# Altium PCB PCB.PcbDoc (part 2 of 2)
Units mm, origin at the board's own origin, x right, y up, seen from the top; angles counter-clockwise.
Board outline 93.51 x 85.5 mm, 4 copper layers (Top Layer, Int1 (PWR), Int2 (GND), Bottom Layer), stack 1.439 mm thick; 119 components, 88 nets, 414 pads, 360 vias.
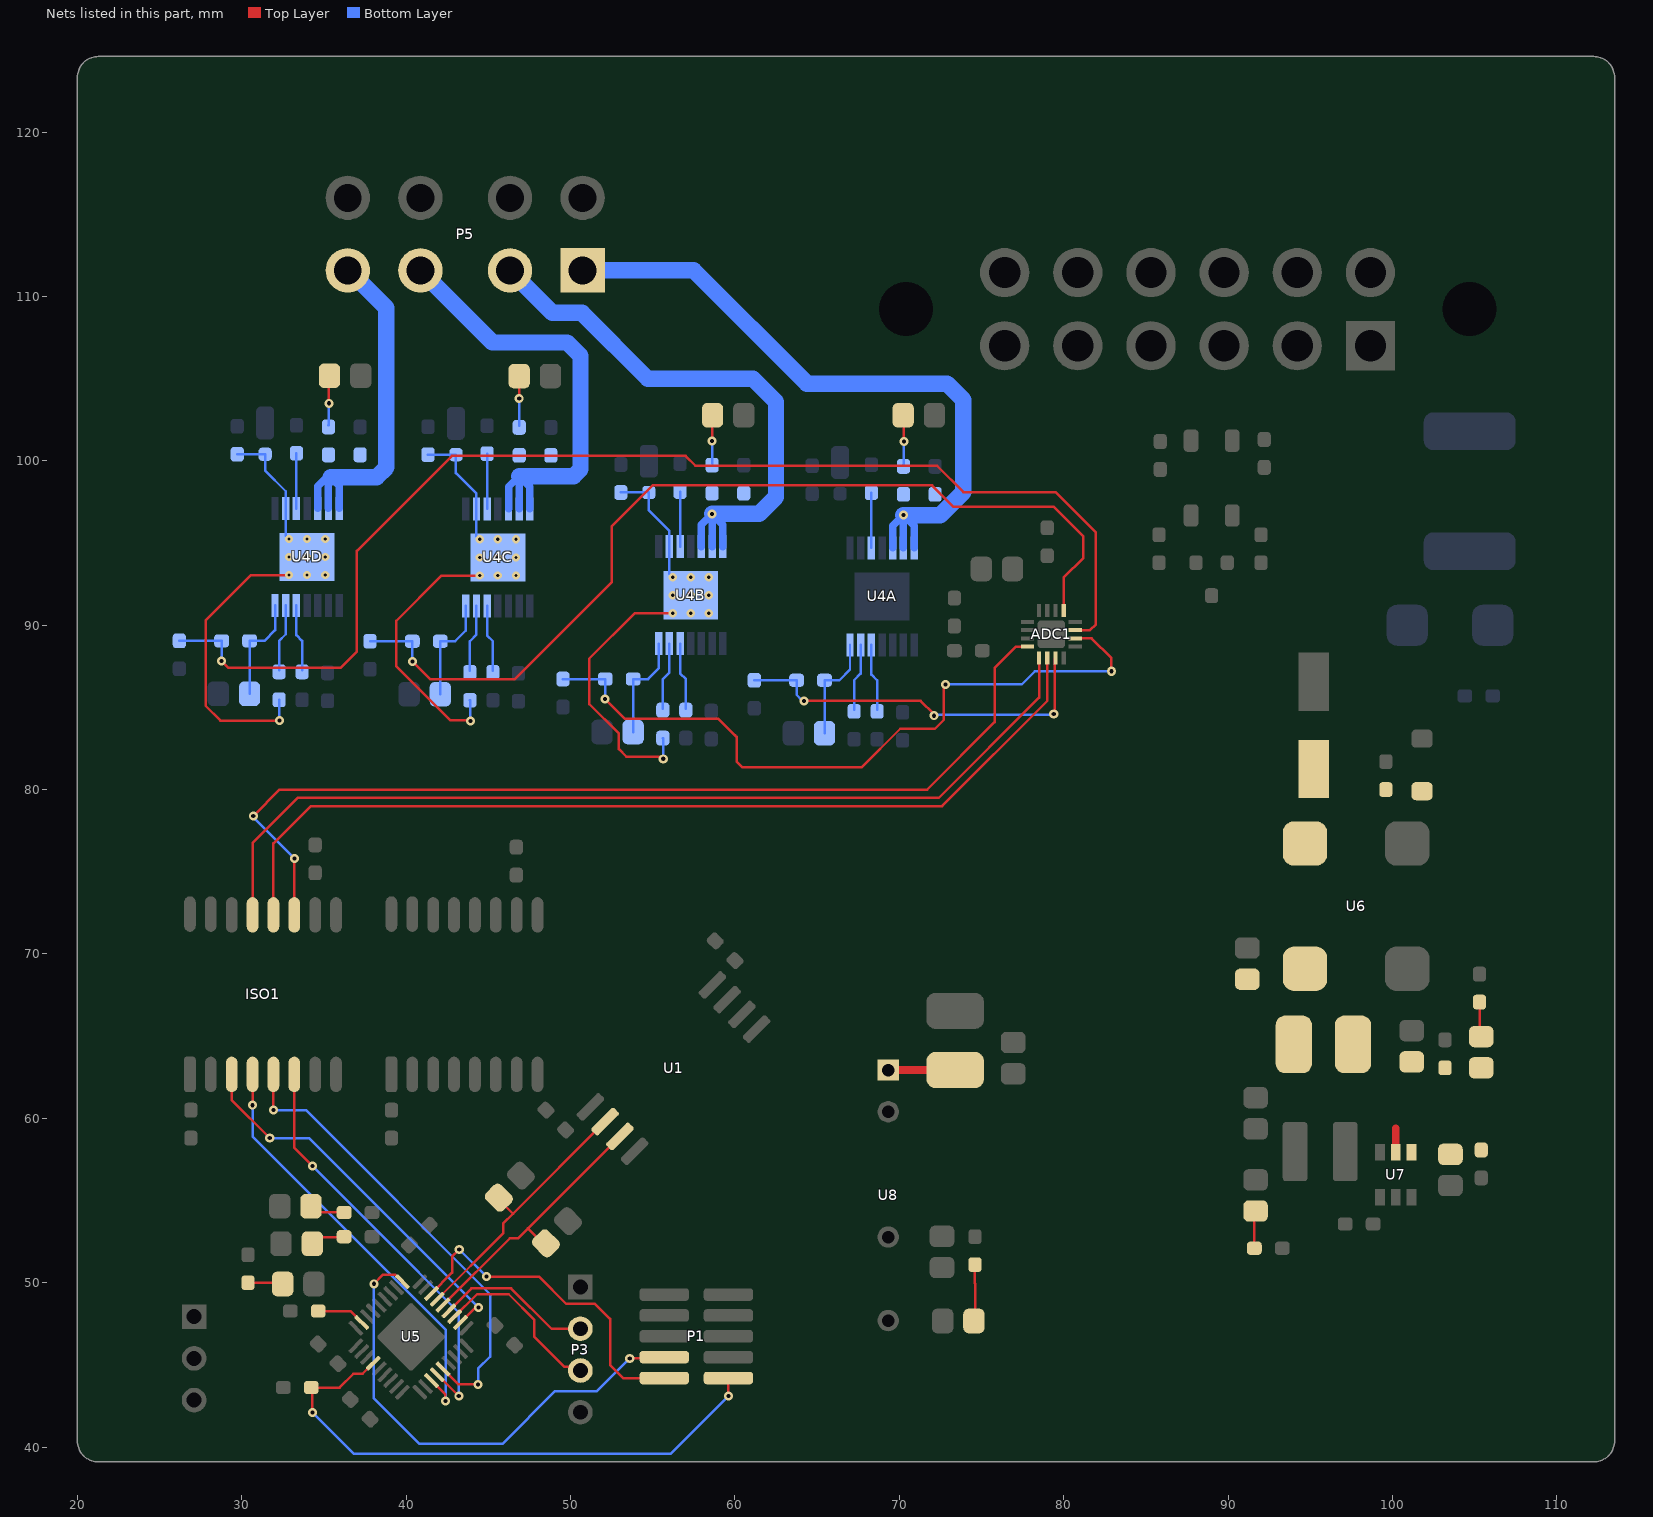
[diagram p4: the nets of this part, all layers, seen from the top]

## Via types
v1: diameter 0.55, hole 0.25, Top Layer to Bottom Layer, 312 vias
v2: diameter 0.5, hole 0.2, Top Layer to Bottom Layer, 36 vias
v3: diameter 0.6, hole 0.3, Top Layer to Bottom Layer, 12 vias

## Nets (pads, with @x,y where several pads share a name; then routed paths per layer and width w, separated by ;. In a path a pad name is that pad's centre, name@x,y a point inside that pad or via, vN(x,y) a via of type N, cw(c..) or ccw(c..) an arc to the next point about the centre after c; other vN are vias at no path point) (continued)
NetD1B_A: D1B.A R6B.1 R8B.2 U4B.0 U4B.2 | length 24.2
  Top Layer w0.152: v1@55.662,81.8 55.605,81.8 55.405,82 53.4,82 52.937,82.463 52.937,83.407 51.139,85.205 51.139,87.971 53.892,90.724 v2(56.212,90.724)
  Bottom Layer w0.152: R8B.2@53.062,98.074 D1B.A@54.762,98.074 54.762,96.982 56.012,95.732 U4B.2@56.012,94.774 56.012,93.124 v2(56.212,92.924) ; R6B.1@55.612,83.135 55.626,83.121 55.626,81.887 v1(55.639,81.874)
  other v2: 57.312,90.724 58.412,90.724 56.212,91.824 57.312,91.824 58.412,91.824 57.312,92.924 58.412,92.924
NetD1C_A: D1C.A R6C.1 R8C.2 U4C.0 U4C.2 | length 23.6
  Top Layer w0.152: v1(43.903,84.174) 43.844,84.233 42.667,84.233 39.403,87.497 39.403,90.271 42.156,93.024 v2(44.476,93.024)
  Bottom Layer w0.152: R8C.2@41.326,100.374 D1C.A@43.026,100.374 43.026,99.252 44.276,98.002 U4C.2@44.276,97.074 44.276,95.424 v2(44.476,95.224) ; R6C.1@43.876,85.435 43.89,85.421 43.89,84.187 v1(43.903,84.174)
  other v2: 45.576,93.024 46.676,93.024 44.476,94.124 45.576,94.124 46.676,94.124 45.576,95.224 46.676,95.224
NetD1D_A: D1D.A R6D.1 R8D.2 U4D.0 U4D.2 | length 25
  Top Layer w0.152: v1(32.3,84.2) 28.7,84.2 27.8,85.1 27.8,90.298 30.552,93.05 v2(32.873,93.05)
  Bottom Layer w0.152: R8D.2@29.723,100.4 D1D.A@31.423,100.4 31.423,99.4 32.673,98.15 U4D.2@32.673,97.1 32.673,95.45 v2(32.873,95.25) ; R6D.1@32.273,85.461 32.286,85.448 32.286,84.214 v1(32.3,84.2)
  other v2: 33.973,93.05 35.073,93.05 32.873,94.15 33.973,94.15 35.073,94.15 33.973,95.25 35.073,95.25
NetD2A_A: D2A.A R7A.1 | length 3
  Top Layer w0.152: D2A.A@70.238,102.774 70.275,102.737 v1(70.275,101.175)
  Bottom Layer w0.152: R7A.1@70.25,99.75 70.275,99.775 v1(70.275,101.175)
NetD2B_A: D2B.A R7B.1 | length 3
  Top Layer w0.152: v1(58.612,101.2) 58.612,102.748 D2B.A@58.638,102.774
  Bottom Layer w0.152: R7B.1@58.612,99.824 v1(58.612,101.2)
NetD2C_A: D2C.A R7C.1 | length 3
  Top Layer w0.152: v1(46.876,103.8) 46.878,103.802 D2C.A@46.878,105.156
  Bottom Layer w0.152: R7C.1@46.876,102.124 v1(46.876,103.8)
NetD2D_A: D2D.A R7D.1 | length 3.1
  Top Layer w0.152: v1(35.3,103.5) 35.3,105.136 D2D.A@35.338,105.174
  Bottom Layer w0.152: R7D.1@35.273,102.15 35.286,102.164 35.286,103.486 v1(35.3,103.5)
NetD3_A: D3.A R9.1 | length 2.1
  Top Layer w0.152: R9.1@30.375,50 32.412,50 D3.A@32.488,49.924
NetD4_A: D4.A R10.1 | length 2.2
  Top Layer w0.152: D4.A@34.212,54.651 34.575,54.289 36.211,54.289 R10.1@36.225,54.275
NetD5_A: D5.A R11.1 | length 2.1
  Top Layer w0.152: D5.A@34.287,52.376 34.673,52.763 36.188,52.763 R11.1@36.225,52.8
NetD7_K: D7.K R16.2 | length 2
  Top Layer w0.152: D7.K@105.3,65.075 R16.2@105.3,67.075
NetD9_K: D9.K R17.2 | length 2.3
  Top Layer w0.152: R17.2@91.6,52.1 91.6,54.288 D9.K@91.674,54.362 D9.K@91.7,54.336
NetD10_K: D10.K R18.2 | length 3.4
  Top Layer w0.152: R18.2@74.6,51.1 74.6,49.961 74.612,49.949 D10.K@74.612,47.686
NetISO1_3: ISO1.3 U5.20 | length 23.3
  Top Layer w0.152: ISO1.3@29.385,62.675 29.385,61.115 v1(31.7,58.8) ; U5.20@43.305,47.584 44.221,48.5 v1(44.4,48.5)
  Bottom Layer w0.152: v1(31.7,58.8) 34.1,58.8 v1(44.4,48.5)
NetISO1_4: ISO1.6 U5.13 | length 25.6
  Top Layer w0.152: ISO1.6@33.195,62.675 33.195,58.205 v1(34.3,57.1) ; U5.13@41.898,44.402 v1(43.2,43.1)
  Bottom Layer w0.152: v1(34.3,57.1) 38.416,52.984 43.2,48.2 v1(43.2,43.1)
NetISO1_5: ISO1.4 U5.12 | length 26.3
  Top Layer w0.152: v1(30.655,60.8) ISO1.4@30.655,62.675 ; U5.12@41.537,44.048 42.389,43.197 42.389,42.811 v1(42.4,42.8)
  Bottom Layer w0.152: v1(30.655,60.8) 30.655,58.898 42.4,47.153 v1(42.4,42.8)
NetISO1_6: ISO1.5 U5.14 | length 28.3
  Top Layer w0.152: v1(31.925,60.5) ISO1.5@31.925,62.675 ; U5.14@42.245,44.755 43.189,43.811 v1(44.375,43.811)
  Bottom Layer w0.152: v1@31.9,60.5 v1(31.925,60.5) 33.9,60.5 45.1,49.3 45.1,45.5 44.375,44.775 v1(44.375,43.811)
NetL3_1: L3.1 U8.1 | length 4.1
  Top Layer w0.5: U8.1@69.325,62.94 L3.1@73.4,62.94
NetR2A_2: R2A.2 U4A.3 | length 3.4
  Bottom Layer w0.152: U4A.3@68.3,94.7 R2A.2@68.3,98.05
NetR2B_2: R2B.2 U4B.3 | length 3.4
  Bottom Layer w0.152: U4B.3@56.662,94.774 R2B.2@56.662,98.124
NetR2C_2: R2C.2 U4C.3 | length 3.4
  Bottom Layer w0.152: U4C.3@44.926,97.074 R2C.2@44.926,100.424
NetR2D_2: R2D.2 U4D.3 | length 3.4
  Bottom Layer w0.152: U4D.3@33.323,97.1 R2D.2@33.323,100.45
NetR3A_2: R3A.2 U4A.12 | length 4.1
  Bottom Layer w0.152: U4A.12@68.3,88.8 68.3,87 68.65,86.65 R3A.2@68.65,84.85
NetR3B_2: R3B.2 U4B.12 | length 4.1
  Bottom Layer w0.152: U4B.12@56.662,88.874 56.662,87.074 57.012,86.724 R3B.2@57.012,84.924
NetR3C_2: R3C.2 U4C.12 | length 4.1
  Bottom Layer w0.152: U4C.12@44.926,91.174 44.926,89.374 45.276,89.024 R3C.2@45.276,87.224
NetR3D_2: R3D.2 U4D.12 | length 4.1
  Bottom Layer w0.152: U4D.12@33.323,91.2 33.323,89.4 33.673,89.05 R3D.2@33.673,87.25
NetR4A_2: R4A.2 R5A.2 U4A.14 | length 6.5
  Bottom Layer w0.152: R5A.2@65.45,83.426 R4A.2@65.45,86.65 66.35,86.65 67,87.3 U4A.14@67,88.8
NetR4B_2: R4B.2 R5B.2 U4B.14 | length 6.5
  Bottom Layer w0.152: R5B.2@53.812,83.5 R4B.2@53.812,86.724 54.712,86.724 55.362,87.374 U4B.14@55.362,88.874
NetR4C_2: R4C.2 R5C.2 U4C.14 | length 6.5
  Bottom Layer w0.152: R5C.2@42.076,85.8 R4C.2@42.076,89.024 42.976,89.024 43.626,89.674 U4C.14@43.626,91.174
NetR4D_2: R4D.2 R5D.2 U4D.14 | length 6.5
  Bottom Layer w0.152: R5D.2@30.473,85.826 R4D.2@30.473,89.05 31.373,89.05 32.023,89.7 U4D.14@32.023,91.2
NetR6A_2: R6A.2 U4A.13 | length 4.1
  Bottom Layer w0.152: R6A.2@67.25,84.85 67.25,86.65 67.65,87.05 U4A.13@67.65,88.8
NetR6B_2: R6B.2 U4B.13 | length 4.1
  Bottom Layer w0.152: R6B.2@55.612,84.924 55.612,86.724 56.012,87.124 U4B.13@56.012,88.874
NetR6C_2: R6C.2 U4C.13 | length 4.1
  Bottom Layer w0.152: R6C.2@43.876,87.224 43.876,89.024 44.276,89.424 U4C.13@44.276,91.174
NetR6D_2: R6D.2 U4D.13 | length 4.1
  Bottom Layer w0.152: R6D.2@32.273,87.25 32.273,89.05 32.673,89.45 U4D.13@32.673,91.2
NetR12_1: R12.1 U1.3 U5.23 | length 16.5
  Top Layer w0.152: U5.23@42.245,48.645 46.3,52.7 46.8,52.7 47.4,53.3 ; R12.1@48.5,52.4 48.3,52.4 47.4,53.3 ; U1.3@53,58.9 47.4,53.3
NetR13_1: R13.1 U1.2 U5.24 | length 16.4
  Top Layer w0.152: U5.24@41.891,48.998 45.9,53.007 45.9,53.596 46.502,54.198 ; R13.1@45.636,55.174 45.636,55.064 46.502,54.198 ; U1.2@52.102,59.798 46.502,54.198
NetR15_2: R15.2 U5.35 | length 2.9
  Top Layer w0.152: R15.2@34.65,48.275 36.604,48.275 U5.35@37.295,47.584
NRST: P1.1 R14.1 U5.4 | length 34.8
  Top Layer w0.152: v1(34.3,42.1) 34.3,43.55 R14.1@34.225,43.625 35.95,43.625 36.786,44.461 37.354,44.461 U5.4@38.002,45.109 ; v1(59.6,43.1) P1.1@59.6,44.2
  Bottom Layer w0.152: v1(34.3,42.1) 36.8,39.6 56.1,39.6 v1(59.6,43.1)
SCLCK: ADC1.13 ISO1.13 | length 58.3
  Top Layer w0.152: ISO1.13@30.655,72.377 30.655,76.755 33.4,79.5 72.4,79.5 78.5,85.6 ADC1.13@78.5,88
SDI: ADC1.14 ISO1.12 | length 57.6
  Top Layer w0.152: ISO1.12@31.925,72.377 31.925,76.725 34.2,79 72.6,79 79,85.4 ADC1.14@79,88
SDO: ADC1.12 ISO1.11 | length 60.4
  Top Layer w0.152: v1(30.7,78.4) 32.3,80 71.7,80 75.8,84.1 75.8,87.4 77.1,88.7 ADC1.12@77.8,88.7 ; ISO1.11@33.195,72.377 v1(33.195,75.805)
  Bottom Layer w0.152: v1(30.7,78.4) 30.7,78.3 v1(33.195,75.805)
SNS1: ADC1.3 C13D.2 R4D.1 | length 75
  Top Layer w0.152: v1(28.773,87.827) 29.2,87.4 36,87.4 37,88.4 37,94.517 42.783,100.3 57,100.3 57.6,99.7 72.3,99.7 73.9,98.1 79.505,98.1 81.955,95.649 81.955,90.055 81.6,89.7 81.328,89.7 ADC1.3@80.7,89.7
  Bottom Layer w0.152: C13D.2@26.2,89.05 R4D.1@28.773,89.05 v1(28.773,87.827) v1@28.8,87.8
SNS2: ADC1.5 C13C.2 R4C.1 | length 58.3
  Top Layer w0.152: v1(40.376,87.801) 41.477,86.7 46.6,86.7 52.5,92.6 52.5,96.011 54.989,98.5 72,98.5 73.3,97.2 79.4,97.2 81.2,95.4 81.2,94.1 80,92.9 ADC1.5@80,90.9
  Bottom Layer w0.152: C13C.2@37.803,89.024 R4C.1@40.376,89.024 v1(40.376,87.801) v1@40.403,87.774
SNS3: ADC1.2 C13B.2 R4B.1 | length 44.3
  Top Layer w0.152: v1(52.1,85.5) 53.3,84.3 59,84.3 60,83.3 60.011,83.3 60.1,83.211 60.1,81.7 60.45,81.35 67.706,81.35 70.056,83.7 72.161,83.7 72.705,84.244 72.705,86.305 v1(72.8,86.4) ; ADC1.2@80.7,89.2 81.702,89.2 82.9,88.002 v1(82.9,87.2)
  Bottom Layer w0.152: C13B.2@49.539,86.724 R4B.1@52.112,86.724 52.1,86.712 v1(52.1,85.5) ; v1(72.8,86.4) 77.45,86.4 78.25,87.2 v1(82.9,87.2)
SNS4: ADC1.15 C13A.2 R4A.1 | length 23.2
  Top Layer w0.152: v1(64.2,85.4) 71.3,85.4 72.1,84.6 v1(72.1,84.495) ; v1(79.395,84.6) 79.451,84.656 79.451,87.951 ADC1.15@79.5,88
  Bottom Layer w0.152: C13A.2@61.177,86.65 R4A.1@63.75,86.65 63.75,85.771 64.121,85.4 v1(64.2,85.4) ; v1(72.1,84.495) 72.152,84.547 79.342,84.547 v1(79.395,84.6)
SWCLK: P1.4 U5.28 | length 30.1
  Top Layer w0.152: v1(38.037,49.937) 38.595,50.495 39.333,50.495 U5.28@39.77,50.059 ; v1(53.6,45.4) 55.63,45.4 P1.4@55.7,45.47
  Bottom Layer w0.152: v1(38.037,49.937) 38.037,42.963 40.8,40.2 45.856,40.2 49.064,43.408 51.608,43.408 v1@53.615,45.415
SWDIO: P1.2 U5.25 | length 20.7
  Top Layer w0.152: U5.25@41.537,49.352 42.8,50.614 42.8,51.6 v1(43.228,52.028) ; v1(44.878,50.378) 48.072,50.378 49.736,48.714 51.486,48.714 52.4,47.8 52.4,45 53.2,44.2 P1.2@55.7,44.2
  Bottom Layer w0.152: v1(43.228,52.028) v1(44.878,50.378)
UART_RX: P3.2 U5.22 | length 9.6
  Top Layer w0.152: U5.22@42.598,48.291 43.962,49.655 46.386,49.655 48.841,47.2 P3.2@50.6,47.2
UART_TX: P3.3 U5.21 | length 10.7
  Top Layer w0.152: U5.21@42.952,47.937 44.314,49.3 46.239,49.3 47.8,47.739 47.8,46.7 49.622,44.878 50.382,44.878 P3.3@50.6,44.66
VBAT_C: C21.2 L1.2 U6.2
VBAT_D: C25.2 C26.2 D6.K U6.1
VBAT_F: C22.2 C23.2 C28.2 C29.2 D7.A L1.1 U7.4 U7.5 | length 1.6
  Top Layer w0.152: 100.1,59.5 100.2,59.4
  Top Layer w0.456: U7.5@100.2,57.95 100.2,59.4
VOUT_1: C14A.2 P5.1 R7A.2 U4A.5 U4A.6 U4A.7 | length 42.8
  Bottom Layer w0.456: U4A.5@69.6,94.7 69.6,96.048 v1(70.25,96.698) ; U4A.6@70.25,94.7 v1(70.25,96.698) ; U4A.7@70.9,94.7 70.9,96.048 v1(70.25,96.698)
  Bottom Layer w1: P5.1@50.737,111.582 57.497,111.582 64.379,104.7 72.9,104.7 73.9,103.7 73.9,98.1 72.498,96.698 v1(70.25,96.698)
VOUT_2: C14B.2 P5.2 R7B.2 U4B.5 U4B.6 U4B.7 | length 36.1
  Bottom Layer w0.456: U4B.5@57.962,94.774 57.962,96.122 v1(58.612,96.772) ; U4B.6@58.612,94.774 v1(58.612,96.772) ; U4B.7@59.262,94.774 59.262,96.122 v1(58.612,96.772)
  Bottom Layer w1: P5.2@46.317,111.582 48.899,109 50.7,109 54.7,105 61.1,105 62.5,103.6 62.5,97.8 61.472,96.772 v1(58.612,96.772)
VOUT_3: C14C.2 P5.3 R7C.2 U4C.5 U4C.6 U4C.7 | length 29.2
  Bottom Layer w0.456: U4C.5@46.226,97.074 46.226,98.422 46.876,99.072 ; U4C.6@46.876,97.074 46.876,99.072 ; U4C.7@47.526,97.074 47.526,98.422 46.876,99.072
  Bottom Layer w1: P5.3@40.867,111.582 45.249,107.2 49.8,107.2 50.607,106.393 50.607,99.482 50.196,99.072 46.876,99.072
VOUT_4: C14D.2 P5.4 R7D.2 U4D.5 U4D.6 U4D.7 | length 23.3
  Bottom Layer w0.456: U4D.5@34.623,97.1 34.623,98.448 35.273,99.098 35.273,99 U4D.6@35.273,97.1 ; 35.3,99.1 35.4,99 35.923,98.477 U4D.7@35.923,97.1
  Bottom Layer w0.7: 35.273,99 35.4,99 ; P5.4@36.447,111.582 P5.4@36.518,111.582
  Bottom Layer w1: 35.4,99 38.2,99 38.8,99.6 38.8,109.3 P5.4@36.518,111.582
pads on no net: ISO2.7 P1.3 P1.9 P1.10 P4.0 P4.1 P4.2 P4.3 P4.6 P4.7 P4.8 P4.9 P4.10 U4A.1 U4A.4 U4A.11 U4B.1 U4B.4 U4B.11 U4C.1 U4C.4 U4C.11 U4D.1 U4D.4 U4D.11 U5.2 U5.3 U5.7 U5.11 U5.16 U5.17 U5.29 U5.30 U5.31

## Polygon pours and split planes (outlines as drawn)
0V on Top Layer "Signal_Top_0V" (solid, remove dead copper, pour order 195): 19.999,123.334 cw(c21.247,123.374) 21.207,124.622 112.243,124.622 cw(c112.243,123.352) 113.513,123.352 113.513,40.329 cw(c112.305,40.329) 112.305,39.122 80.099,39.122 80.099,55.022 76.399,58.622 63.399,58.722 52.499,69.522 19.999,69.522
GLV- on Top Layer "GND_GLV-" (solid, remove dead copper, pour order 158): 95.8,73.3 99.079,70.021 113.513,70.021 113.513,123.33 ccw(c112.243,123.33) 112.243,124.6 64.8,124.6 21.288,124.6 ccw(c21.288,123.312) 20,123.312 20,106.187 31.813,106.187 33.2,104.8 33.2,94.2 33.3,94.1 29.6,90.4 29.6,81.9 30.8,80.7 35.4,80.7 36.6,81.9 36.6,97.877 39.4,100.677 39.4,105.9 40.1,106.6 40.1,106.7 43.5,106.7 44.7,105.5 44.7,93.8 41.2,90.3 41.2,82.1 42.135,81 45.6,81 48.4,83.8 48.4,101.6 48.3,101.7 50.8,104.2 55.7,104.2 56.6,103.3 56.6,92 52.5,87.9 52.5,82.4 55.1,79.8 58.1,79.8 60.2,81.9 60.2,100.1 62.8,102.7 62.8,103.8 66.6,103.8 67,103.8 68.3,102.5 68.3,92 64.2,87.9 64.2,81.5 65.8,79.9 69.7,79.9 71.8,82 71.8,93.3 72.7,94.2 72.7,102.6 74.4,104.3 93.3,104.3 95.8,101.8
0V_(ISO) on Top Layer "Signal_Top_0V_I(ISO)" (solid, pour order 182): 25.246,39.04 76.162,39.04 76.162,53.406 75.128,54.44 61.928,54.44 50.928,65.44 20.028,65.44 20.028,40.328 ccw(c21.316,40.328) 21.316,39.04
5V on Top Layer "NONET_L-01_P-001" (solid, pour order 172): 90.6,59.7 91,60.1 93,60.1 93.3,59.8 94.8,59.8 94.9,59.7 94.9,56.2 94.7,56 92.9,56 92.4,55.5 91,55.5 90.6,55.9
VBAT_F on Top Layer "Signal_Top_VBAT_F" (solid, pour order 173): 99,66.25 99.8,65.45 99.8,64.3 100,64.1 102,64.1 102.6,63.5 104.5,63.5 104.8,63.8 105.9,63.8 106.4,63.3 106.4,58.2 105.7,57.5 104.6,57.5 104.2,57.1 104.1,57.2 100,57.2 96.5,60.7 96.5,66.3 96.8,66.6 98.7,66.6 99,66.3
VBAT_D on Top Layer "Signal_Top_VBAT_D" (solid, pour order 147): 94.2,83.1 94.2,78.7 93.2,77.7 93.2,75.7 93.6,75.3 95.7,75.3 96.1,75.7 96.1,78 97.2,79.1 102.1,79.1 102.5,79.5 102.5,80.3 102.2,80.6 100.7,80.6 98.59,80.6 96.2,82.773 96.2,83.1
VBAT_C on Top Layer "Signal_Top_VBAT_C" (solid, pour order 181): 95,63 95.5,63.5 95.4,63.6 95.4,67.4 96.1,68.1 96.1,70.2 95.7,70.6 93.4,70.6 92.7,69.9 92.7,69.2 92.6,69.1 90.6,69.1 90.4,68.9 90.4,64.9 92.3,63
0V on Bottom Layer "Signal_Botoom_0V" (solid, remove dead copper, pour order 191): 19.999,123.334 cw(c21.247,123.374) 21.207,124.622 112.243,124.622 cw(c112.243,123.352) 113.513,123.352 113.513,40.329 cw(c112.305,40.329) 112.305,39.122 80.099,39.122 80.099,55.022 76.399,58.622 63.399,58.722 52.499,69.522 19.999,69.522
GLV- on Bottom Layer "GND_GLV-" (solid, remove dead copper, pour order 168): 95.8,93.8 91.4,89.4 91.4,77.3 96,73.1 99.079,70.021 113.513,70.021 113.513,123.33 ccw(c112.243,123.33) 112.243,124.6 64.8,124.6 21.288,124.6 ccw(c21.288,123.312) 20,123.312 20,106.187 31.813,106.187 33.2,104.8 33.2,94.2 33.3,94.1 29.6,90.4 29.6,81.9 30.8,80.7 35.4,80.7 36.6,81.9 36.6,97.877 39.4,100.677 39.4,105.9 40.1,106.6 40.1,106.7 43.5,106.7 44.7,105.5 44.7,93.8 41.2,90.3 41.2,82.1 42.135,81 45.6,81 48.4,83.8 48.4,101.6 48.3,101.7 50.8,104.2 55.7,104.2 56.6,103.3 56.6,92 52.5,87.9 52.5,82.4 55.1,79.8 58.1,79.8 60.2,81.9 60.2,100.1 62.8,102.7 62.8,103.8 66.6,103.8 66.8,104 68.3,102.5 68.3,92 64.2,87.9 64.2,81.5 65.8,79.9 69.7,79.9 71.8,82 71.8,93.3 72.7,94.2 72.7,102.6 74.4,104.3 93.3,104.3 95.8,101.8
0V_(ISO) on Bottom Layer "Signal_Bottom_0V_(ISO)" (solid, pour order 192): 20.927,39.1 76.162,39.1 76.162,53.406 75.128,54.44 61.928,54.44 50.928,65.44 20.028,65.44 20.028,40.328 ccw(c21.316,40.328)
NetC24_2 on Bottom Layer "NONET_L-01_P-001" (solid, pour order 166): 102.111,96.262 101.23,95.382 101.23,93.451 104.239,90.442 104.239,88.031 105.5,86.771 105.5,83.863 105.564,83.863 105.952,83.474 106.63,83.474 107,83.845 107,87.237 107.918,88.155 107.918,93.452 107.906,93.465 107.906,95.535 107.816,95.535 107.132,96.22
GLV+ on Bottom Layer "NONET_L-01_P-001" (solid, pour order 165): 69.727,85.25 70.65,85.25 70.977,85.577 70.977,86.2 71.377,86.6 71.377,87.8 69.4,87.8 69.4,86.377 69.477,86.3 69.477,85.5
GLV+ on Bottom Layer "NONET_L-01_P-001" (solid, pour order 164): 58.089,85.324 59.012,85.324 59.339,85.651 59.339,86.274 59.739,86.674 59.739,87.874 57.762,87.874 57.762,86.451 57.839,86.374 57.839,85.574
GLV+ on Bottom Layer "NONET_L-01_P-001" (solid, pour order 162): 46.353,87.624 47.276,87.624 47.603,87.951 47.603,88.574 48.003,88.974 48.003,90.174 46.026,90.174 46.026,88.751 46.103,88.674 46.103,87.874
GLV+ on Bottom Layer "NONET_L-01_P-001" (solid, pour order 159): 34.75,87.65 35.673,87.65 36,87.977 36,88.6 36.4,89 36.4,90.2 34.423,90.2 34.423,88.777 34.5,88.7 34.5,87.9
NetD1C_A on Bottom Layer "5V_Bottom_C" (solid, pour order 184): 40.803,100.874 43.503,100.874 43.503,98.574 43.103,98.174 43.103,95.874 43.303,95.674 47.303,95.674 47.403,95.574 47.403,92.674 47.303,92.574 40.903,92.574 40.803,92.674
NetD1A_A on Bottom Layer "5V_Bottom_A" (solid, pour order 149): 64.177,98.5 66.877,98.5 66.877,96.2 66.477,95.8 66.477,93.5 66.677,93.3 70.677,93.3 70.777,93.2 70.777,90.3 70.677,90.2 64.277,90.2 64.177,90.3
NetD1B_A on Bottom Layer "5V_Bottom_B" (solid, pour order 155): 52.539,98.574 55.239,98.574 55.239,96.274 54.839,95.874 54.839,93.574 55.039,93.374 59.039,93.374 59.139,93.274 59.139,90.374 59.039,90.274 52.639,90.274 52.539,90.374
VOUT_1 on Bottom Layer "Signal_Bottom_VOUT1" (solid, pour order 194): 69.377,95.7 71.177,95.7 72.9,97.423 72.9,98.2 70.817,98.2 69.377,97
VOUT_2 on Bottom Layer "Signal_Bottom_VOUT2" (solid, pour order 148): 57.739,95.774 59.539,95.774 61.3,97.535 61.3,98.274 59.179,98.274 57.739,97.074
VOUT_3 on Bottom Layer "Signal_Bottom_VOUT3" (solid, pour order 170): 46.003,98.074 47.803,98.074 49.5,99.77 49.5,100.574 47.443,100.574 46.003,99.374
VOUT_4 on Bottom Layer "Signal_Bottom_VOUT4" (solid, pour order 171): 34.4,98.1 36.2,98.1 37.9,99.8 37.9,100.6 35.84,100.6 34.4,99.4
NetD1D_A on Bottom Layer "5V_Bottom_D" (solid, pour order 183): 29.2,100.9 31.9,100.9 31.9,98.6 31.5,98.2 31.5,95.9 31.7,95.7 35.7,95.7 35.8,95.6 35.8,92.7 35.7,92.6 29.3,92.6 29.2,92.7
GLV+ on Bottom Layer "SignalBottom_GLV+" (solid, pour order 167): 99.45,104.248 99.4,104.198 99.4,100.69 100.19,99.9 106.6,99.9 ccw(c106.6,101.1) 107.8,101.1 107.8,114.7 107,115.5 99.8,115.5 96.64,112.34 96.64,110.84 98.046,109.433 100.433,109.433 100.5,109.5 101.537,108.463 101.537,104.3 99.8,104.3 ccw(c99.8,103.093)
GLV+ on Bottom Layer "GLV+_A" (solid, remove dead copper, pour order 185): 79.2,85.95 77.4,85.95 77.4,85.3 77.75,84.95 77.75,82.45 77.9,82.3 78.6,82.3 78.8,82.5 78.8,85 79.2,85.4
GLV+ on Bottom Layer "GLV+_B" (solid, remove dead copper, pour order 186): 67.562,86.024 65.762,86.024 65.762,85.374 66.112,85.024 66.112,82.524 66.262,82.374 66.962,82.374 67.162,82.574 67.162,85.074 67.562,85.474
GLV+ on Bottom Layer "GLV+_C" (solid, remove dead copper, pour order 189): 47.8,90.224 46.026,90.224 46.026,89.574 46.376,89.224 46.376,86.724 46.526,86.574 47.226,86.574 47.426,86.774 47.426,89.274 47.8,89.648
GLV+ on Bottom Layer "GLV+_D" (solid, remove dead copper, pour order 190): 36.223,90.25 34.423,90.25 34.423,89.6 34.773,89.25 34.773,86.75 34.923,86.6 35.623,86.6 35.823,86.8 35.823,89.3 36.223,89.7
0V on Int1 (PWR) "GND_0V" (solid, pour order 169): 19.999,123.334 cw(c21.247,123.374) 21.207,124.622 112.243,124.622 cw(c112.243,123.352) 113.513,123.352 113.513,40.329 cw(c112.305,40.329) 112.305,39.122 80.099,39.122 80.099,55.022 76.399,58.622 63.399,58.722 52.499,69.522 19.999,69.522
GLV- on Int1 (PWR) "GND_GLV-" (solid, remove dead copper, pour order 146): 95.8,73.3 99.079,70.021 113.513,70.021 113.513,123.33 ccw(c112.243,123.33) 112.243,124.6 64.8,124.6 21.288,124.6 ccw(c21.288,123.312) 20,123.312 20,106.187 31.813,106.187 33.2,104.8 33.2,94.2 33.3,94.1 29.6,90.4 29.6,81.9 30.8,80.7 35.4,80.7 36.6,81.9 36.6,97.877 39.4,100.677 39.4,105.9 40.1,106.6 40.1,106.7 43.5,106.7 44.7,105.5 44.7,93.8 41.2,90.3 41.2,82.1 42.135,81 45.6,81 48.4,83.8 48.4,101.6 48.3,101.7 50.8,104.2 55.7,104.2 56.6,103.3 56.6,92 52.5,87.9 52.5,82.4 55.1,79.8 58.1,79.8 60.2,81.9 60.2,100.1 62.8,102.7 62.8,103.8 66.6,103.8 66.8,104 68.3,102.5 68.3,92 64.2,87.9 64.2,81.5 65.8,79.9 69.7,79.9 71.8,82 71.8,93.3 72.7,94.2 72.7,102.6 74.4,104.3 93.3,104.3 95.8,101.8
0V_(ISO) on Int1 (PWR) "GND_0V_(ISO)" (solid, pour order 152): 25.217,39.1 76.134,39.1 76.134,53.466 75.1,54.5 61.9,54.5 50.9,65.5 20,65.5 20,40.388 ccw(c21.288,40.388) 21.288,39.1
5V on Int2 (GND) "PWR_5V" (solid, pour order 180): 80.099,55.022 76.399,58.622 63.544,58.719 52.499,69.522 19.999,69.522 19.999,123.334 cw(c21.287,123.334) 21.287,124.622 112.243,124.622 cw(c112.243,123.352) 113.513,123.352 113.513,40.392 cw(c112.243,40.392) 112.243,39.122 80.099,39.122
3V3 on Int2 (GND) "PWR_3V3" (solid, pour order 179): 25.217,39.1 76.134,39.1 76.134,53.466 75.1,54.5 61.9,54.5 50.9,65.5 20,65.5 20,40.388 ccw(c21.288,40.388) 21.288,39.1
GLV+ on Int2 (GND) "PWR_GLV+" (solid, pour order 156): 87.613,124.6 112.243,124.6 cw(c112.243,123.33) 113.513,123.33 113.513,92.813 110.9,90.2 92.8,90.2 86.2,96.8 74.6,96.8 71.9,94.1 71.9,80.6 70.6,79.3 22.568,79.3 20.018,81.85 20.018,123.33 cw(c21.288,123.33) 21.288,124.6 30.63,124.6

## Keep-outs
Keep-Out Layer:
  region: 108.613,124.6 112.243,124.6 cw(c112.243,123.33) 113.141,124.228 cw(c112.243,123.33) 113.513,123.33 113.513,40.37 cw(c112.243,40.37) 113.141,39.472 cw(c112.243,40.37) 112.243,39.1 108.613,39.1
  region: 24.918,39.1 21.288,39.1 cw(c21.288,40.37) 20.39,39.472 cw(c21.288,40.37) 20.018,40.37 20.018,123.33 cw(c21.288,123.33) 20.39,124.228 cw(c21.288,123.33) 21.288,124.6 24.918,124.6

## Other copper
Top Layer:
  pour cut-out: 59.262,93.036 ccw(c58.524,93.036) 58.524,93.774 56.1,93.774 ccw(c56.1,93.036) 55.362,93.036 55.362,90.612 ccw(c56.1,90.612) 56.1,89.874 58.524,89.874 ccw(c58.524,90.612) 59.262,90.612
  pour cut-out: 70.9,92.962 ccw(c70.162,92.962) 70.162,93.7 67.738,93.7 ccw(c67.738,92.962) 67,92.962 67,90.538 ccw(c67.738,90.538) 67.738,89.8 70.162,89.8 ccw(c70.162,90.538) 70.9,90.538
  pour cut-out: 47.526,95.336 ccw(c46.788,95.336) 46.788,96.074 44.364,96.074 ccw(c44.364,95.336) 43.626,95.336 43.626,92.912 ccw(c44.364,92.912) 44.364,92.174 46.788,92.174 ccw(c46.788,92.912) 47.526,92.912
  pour cut-out: 35.923,95.362 ccw(c35.185,95.362) 35.185,96.1 32.761,96.1 ccw(c32.761,95.362) 32.023,95.362 32.023,92.938 ccw(c32.761,92.938) 32.761,92.2 35.185,92.2 ccw(c35.185,92.938) 35.923,92.938
  pour cut-out: 68.073,60.565 68.159,60.883 68.324,61.168 68.557,61.401 68.842,61.566 69.16,61.651 69.49,61.651 69.808,61.566 70.093,61.401 70.326,61.168 70.491,60.883 70.576,60.565 70.576,60.235 70.491,59.917 70.326,59.632 70.093,59.399 69.808,59.234 69.49,59.149 69.16,59.149 68.842,59.234 68.557,59.399 68.324,59.632 68.159,59.917 68.073,60.235
  pour cut-out: 68.073,52.945 68.159,53.263 68.324,53.548 68.557,53.781 68.842,53.946 69.16,54.031 69.49,54.031 69.808,53.946 70.093,53.781 70.326,53.548 70.491,53.263 70.576,52.945 70.576,52.615 70.491,52.297 70.326,52.012 70.093,51.779 69.808,51.614 69.49,51.529 69.16,51.529 68.842,51.614 68.557,51.779 68.324,52.012 68.159,52.297 68.073,52.615
  pour cut-out: 51.8,50.9 49.4,50.9 49.4,48.5 51.8,48.5
  pour cut-out: 28.3,49.1 25.9,49.1 25.9,46.7 28.3,46.7
Int1 (PWR):
  pour cut-out: 70.9,92.962 ccw(c70.162,92.962) 70.162,93.7 67.738,93.7 ccw(c67.738,92.962) 67,92.962 67,90.538 ccw(c67.738,90.538) 67.738,89.8 70.162,89.8 ccw(c70.162,90.538) 70.9,90.538
  pour cut-out: 59.262,93.036 ccw(c58.524,93.036) 58.524,93.774 56.1,93.774 ccw(c56.1,93.036) 55.362,93.036 55.362,90.612 ccw(c56.1,90.612) 56.1,89.874 58.524,89.874 ccw(c58.524,90.612) 59.262,90.612
  pour cut-out: 47.526,95.336 ccw(c46.788,95.336) 46.788,96.074 44.364,96.074 ccw(c44.364,95.336) 43.626,95.336 43.626,92.912 ccw(c44.364,92.912) 44.364,92.174 46.788,92.174 ccw(c46.788,92.912) 47.526,92.912
  pour cut-out: 35.923,95.362 ccw(c35.185,95.362) 35.185,96.1 32.761,96.1 ccw(c32.761,95.362) 32.023,95.362 32.023,92.938 ccw(c32.761,92.938) 32.761,92.2 35.185,92.2 ccw(c35.185,92.938) 35.923,92.938
  pour cut-out: 40.66,118.102 41.074,118.102 41.479,118.022 41.861,117.863 42.205,117.634 42.498,117.341 42.728,116.997 42.886,116.615 42.967,116.209 42.967,115.796 42.886,115.39 42.728,115.008 42.498,114.664 42.205,114.371 41.861,114.141 41.479,113.983 41.074,113.902 40.66,113.902 40.254,113.983 39.872,114.141 39.528,114.371 39.235,114.664 39.006,115.008 38.847,115.39 38.767,115.796 38.767,116.209 38.847,116.615 39.006,116.997 39.235,117.341 39.528,117.634 39.872,117.863 40.254,118.022
  pour cut-out: 36.24,118.102 36.654,118.102 37.059,118.022 37.441,117.863 37.785,117.634 38.078,117.341 38.308,116.997 38.466,116.615 38.547,116.209 38.547,115.796 38.466,115.39 38.308,115.008 38.078,114.664 37.785,114.371 37.441,114.141 37.059,113.983 36.654,113.902 36.24,113.902 35.834,113.983 35.452,114.141 35.108,114.371 34.815,114.664 34.586,115.008 34.427,115.39 34.347,115.796 34.347,116.209 34.427,116.615 34.586,116.997 34.815,117.341 35.108,117.634 35.452,117.863 35.834,118.022
  pour cut-out: 50.53,118.102 50.944,118.102 51.349,118.022 51.731,117.863 52.075,117.634 52.368,117.341 52.598,116.997 52.756,116.615 52.837,116.209 52.837,115.796 52.756,115.39 52.598,115.008 52.368,114.664 52.075,114.371 51.731,114.141 51.349,113.983 50.944,113.902 50.53,113.902 50.124,113.983 49.742,114.141 49.398,114.371 49.105,114.664 48.876,115.008 48.717,115.39 48.637,115.796 48.637,116.209 48.717,116.615 48.876,116.997 49.105,117.341 49.398,117.634 49.742,117.863 50.124,118.022
  pour cut-out: 46.11,118.102 46.524,118.102 46.929,118.022 47.311,117.863 47.655,117.634 47.948,117.341 48.178,116.997 48.336,116.615 48.417,116.209 48.417,115.796 48.336,115.39 48.178,115.008 47.948,114.664 47.655,114.371 47.311,114.141 46.929,113.983 46.524,113.902 46.11,113.902 45.704,113.983 45.322,114.141 44.978,114.371 44.685,114.664 44.456,115.008 44.297,115.39 44.217,115.796 44.217,116.209 44.297,116.615 44.456,116.997 44.685,117.341 44.978,117.634 45.322,117.863 45.704,118.022
  pour cut-out: 96.709,108.952 100.609,108.952 100.609,105.052 96.709,105.052
  pour cut-out: 94.002,113.552 94.416,113.552 94.822,113.472 95.204,113.313 95.548,113.083 95.84,112.791 96.07,112.447 96.228,112.065 96.309,111.659 96.309,111.245 96.228,110.84 96.07,110.458 95.84,110.114 95.548,109.821 95.204,109.591 94.822,109.433 94.416,109.352 94.002,109.352 93.596,109.433 93.214,109.591 92.87,109.821 92.578,110.114 92.348,110.458 92.19,110.84 92.109,111.245 92.109,111.659 92.19,112.065 92.348,112.447 92.578,112.791 92.87,113.083 93.214,113.313 93.596,113.472
  pour cut-out: 68.125,61.78 70.525,61.78 70.525,64.18 68.125,64.18
  pour cut-out: 28.3,49.1 25.9,49.1 25.9,46.7 28.3,46.7
  pour cut-out: 28.3,49.1 25.9,49.1 25.9,46.7 28.3,46.7
  pour cut-out: 51.8,50.9 49.4,50.9 49.4,48.5 51.8,48.5
  pour cut-out: 68.073,47.865 68.159,48.183 68.324,48.468 68.557,48.701 68.842,48.866 69.16,48.951 69.49,48.951 69.808,48.866 70.093,48.701 70.326,48.468 70.491,48.183 70.576,47.865 70.576,47.535 70.491,47.217 70.326,46.932 70.093,46.699 69.808,46.534 69.49,46.449 69.16,46.449 68.842,46.534 68.557,46.699 68.324,46.932 68.159,47.217 68.073,47.535
  pour cut-out: 51.852,47.035 51.766,46.717 51.601,46.432 51.368,46.199 51.083,46.034 50.765,45.948 50.435,45.948 50.117,46.034 49.832,46.199 49.599,46.432 49.434,46.717 49.349,47.035 49.349,47.365 49.434,47.683 49.599,47.968 49.832,48.201 50.117,48.366 50.435,48.451 50.765,48.451 51.083,48.366 51.368,48.201 51.601,47.968 51.766,47.683 51.852,47.365
  pour cut-out: 51.852,44.495 51.766,44.177 51.601,43.892 51.368,43.659 51.083,43.494 50.765,43.408 50.435,43.408 50.117,43.494 49.832,43.659 49.599,43.892 49.434,44.177 49.349,44.495 49.349,44.825 49.434,45.143 49.599,45.428 49.832,45.661 50.117,45.826 50.435,45.911 50.765,45.911 51.083,45.826 51.368,45.661 51.601,45.428 51.766,45.143 51.852,44.825
  pour cut-out: 51.852,41.955 51.766,41.637 51.601,41.352 51.368,41.119 51.083,40.954 50.765,40.868 50.435,40.868 50.117,40.954 49.832,41.119 49.599,41.352 49.434,41.637 49.349,41.955 49.349,42.285 49.434,42.603 49.599,42.888 49.832,43.121 50.117,43.286 50.435,43.371 50.765,43.371 51.083,43.286 51.368,43.121 51.601,42.888 51.766,42.603 51.852,42.285
  pour cut-out: 28.352,42.695 28.266,42.377 28.101,42.092 27.868,41.859 27.583,41.694 27.265,41.608 26.935,41.608 26.617,41.694 26.332,41.859 26.099,42.092 25.934,42.377 25.849,42.695 25.849,43.025 25.934,43.343 26.099,43.628 26.332,43.861 26.617,44.026 26.935,44.111 27.265,44.111 27.583,44.026 27.868,43.861 28.101,43.628 28.266,43.343 28.352,43.025
  pour cut-out: 28.352,45.235 28.266,44.917 28.101,44.632 27.868,44.399 27.583,44.234 27.265,44.148 26.935,44.148 26.617,44.234 26.332,44.399 26.099,44.632 25.934,44.917 25.849,45.235 25.849,45.565 25.934,45.883 26.099,46.168 26.332,46.401 26.617,46.566 26.935,46.651 27.265,46.651 27.583,46.566 27.868,46.401 28.101,46.168 28.266,45.883 28.352,45.565
  pour cut-out: 68.073,60.565 68.159,60.883 68.324,61.168 68.557,61.401 68.842,61.566 69.16,61.651 69.49,61.651 69.808,61.566 70.093,61.401 70.326,61.168 70.491,60.883 70.576,60.565 70.576,60.235 70.491,59.917 70.326,59.632 70.093,59.399 69.808,59.234 69.49,59.149 69.16,59.149 68.842,59.234 68.557,59.399 68.324,59.632 68.159,59.917 68.073,60.235
  pour cut-out: 68.073,52.945 68.159,53.263 68.324,53.548 68.557,53.781 68.842,53.946 69.16,54.031 69.49,54.031 69.808,53.946 70.093,53.781 70.326,53.548 70.491,53.263 70.576,52.945 70.576,52.615 70.491,52.297 70.326,52.012 70.093,51.779 69.808,51.614 69.49,51.529 69.16,51.529 68.842,51.614 68.557,51.779 68.324,52.012 68.159,52.297 68.073,52.615
Int2 (GND):
  pour cut-out: 59.262,93.036 ccw(c58.524,93.036) 58.524,93.774 56.1,93.774 ccw(c56.1,93.036) 55.362,93.036 55.362,90.612 ccw(c56.1,90.612) 56.1,89.874 58.524,89.874 ccw(c58.524,90.612) 59.262,90.612
  pour cut-out: 70.9,92.962 ccw(c70.162,92.962) 70.162,93.7 67.738,93.7 ccw(c67.738,92.962) 67,92.962 67,90.538 ccw(c67.738,90.538) 67.738,89.8 70.162,89.8 ccw(c70.162,90.538) 70.9,90.538
  pour cut-out: 47.526,95.336 ccw(c46.788,95.336) 46.788,96.074 44.364,96.074 ccw(c44.364,95.336) 43.626,95.336 43.626,92.912 ccw(c44.364,92.912) 44.364,92.174 46.788,92.174 ccw(c46.788,92.912) 47.526,92.912
  pour cut-out: 35.923,95.362 ccw(c35.185,95.362) 35.185,96.1 32.761,96.1 ccw(c32.761,95.362) 32.023,95.362 32.023,92.938 ccw(c32.761,92.938) 32.761,92.2 35.185,92.2 ccw(c35.185,92.938) 35.923,92.938
  pour cut-out: 98.452,113.552 98.866,113.552 99.272,113.472 99.654,113.313 99.998,113.083 100.29,112.791 100.52,112.447 100.678,112.065 100.759,111.659 100.759,111.245 100.678,110.84 100.52,110.458 100.29,110.114 99.998,109.821 99.654,109.591 99.272,109.433 98.866,109.352 98.452,109.352 98.046,109.433 97.664,109.591 97.32,109.821 97.028,110.114 96.798,110.458 96.64,110.84 96.559,111.245 96.559,111.659 96.64,112.065 96.798,112.447 97.028,112.791 97.32,113.083 97.664,113.313 98.046,113.472
  pour cut-out: 68.125,61.78 70.525,61.78 70.525,64.18 68.125,64.18
  pour cut-out: 51.8,50.9 49.4,50.9 49.4,48.5 51.8,48.5
  pour cut-out: 51.852,41.955 51.766,41.637 51.601,41.352 51.368,41.119 51.083,40.954 50.765,40.868 50.435,40.868 50.117,40.954 49.832,41.119 49.599,41.352 49.434,41.637 49.349,41.955 49.349,42.285 49.434,42.603 49.599,42.888 49.832,43.121 50.117,43.286 50.435,43.371 50.765,43.371 51.083,43.286 51.368,43.121 51.601,42.888 51.766,42.603 51.852,42.285
  pour cut-out: 68.073,47.865 68.159,48.183 68.324,48.468 68.557,48.701 68.842,48.866 69.16,48.951 69.49,48.951 69.808,48.866 70.093,48.701 70.326,48.468 70.491,48.183 70.576,47.865 70.576,47.535 70.491,47.217 70.326,46.932 70.093,46.699 69.808,46.534 69.49,46.449 69.16,46.449 68.842,46.534 68.557,46.699 68.324,46.932 68.159,47.217 68.073,47.535
  pour cut-out: 28.3,49.1 25.9,49.1 25.9,46.7 28.3,46.7
  pour cut-out: 51.852,47.035 51.766,46.717 51.601,46.432 51.368,46.199 51.083,46.034 50.765,45.948 50.435,45.948 50.117,46.034 49.832,46.199 49.599,46.432 49.434,46.717 49.349,47.035 49.349,47.365 49.434,47.683 49.599,47.968 49.832,48.201 50.117,48.366 50.435,48.451 50.765,48.451 51.083,48.366 51.368,48.201 51.601,47.968 51.766,47.683 51.852,47.365
  pour cut-out: 51.852,44.495 51.766,44.177 51.601,43.892 51.368,43.659 51.083,43.494 50.765,43.408 50.435,43.408 50.117,43.494 49.832,43.659 49.599,43.892 49.434,44.177 49.349,44.495 49.349,44.825 49.434,45.143 49.599,45.428 49.832,45.661 50.117,45.826 50.435,45.911 50.765,45.911 51.083,45.826 51.368,45.661 51.601,45.428 51.766,45.143 51.852,44.825
  pour cut-out: 28.352,42.695 28.266,42.377 28.101,42.092 27.868,41.859 27.583,41.694 27.265,41.608 26.935,41.608 26.617,41.694 26.332,41.859 26.099,42.092 25.934,42.377 25.849,42.695 25.849,43.025 25.934,43.343 26.099,43.628 26.332,43.861 26.617,44.026 26.935,44.111 27.265,44.111 27.583,44.026 27.868,43.861 28.101,43.628 28.266,43.343 28.352,43.025
  pour cut-out: 28.352,45.235 28.266,44.917 28.101,44.632 27.868,44.399 27.583,44.234 27.265,44.148 26.935,44.148 26.617,44.234 26.332,44.399 26.099,44.632 25.934,44.917 25.849,45.235 25.849,45.565 25.934,45.883 26.099,46.168 26.332,46.401 26.617,46.566 26.935,46.651 27.265,46.651 27.583,46.566 27.868,46.401 28.101,46.168 28.266,45.883 28.352,45.565
  pour cut-out: 68.073,60.565 68.159,60.883 68.324,61.168 68.557,61.401 68.842,61.566 69.16,61.651 69.49,61.651 69.808,61.566 70.093,61.401 70.326,61.168 70.491,60.883 70.576,60.565 70.576,60.235 70.491,59.917 70.326,59.632 70.093,59.399 69.808,59.234 69.49,59.149 69.16,59.149 68.842,59.234 68.557,59.399 68.324,59.632 68.159,59.917 68.073,60.235
  pour cut-out: 68.073,52.945 68.159,53.263 68.324,53.548 68.557,53.781 68.842,53.946 69.16,54.031 69.49,54.031 69.808,53.946 70.093,53.781 70.326,53.548 70.491,53.263 70.576,52.945 70.576,52.615 70.491,52.297 70.326,52.012 70.093,51.779 69.808,51.614 69.49,51.529 69.16,51.529 68.842,51.614 68.557,51.779 68.324,52.012 68.159,52.297 68.073,52.615
  pour cut-out: 68.073,47.865 68.159,48.183 68.324,48.468 68.557,48.701 68.842,48.866 69.16,48.951 69.49,48.951 69.808,48.866 70.093,48.701 70.326,48.468 70.491,48.183 70.576,47.865 70.576,47.535 70.491,47.217 70.326,46.932 70.093,46.699 69.808,46.534 69.49,46.449 69.16,46.449 68.842,46.534 68.557,46.699 68.324,46.932 68.159,47.217 68.073,47.535
  pour cut-out: 68.073,47.865 68.159,48.183 68.324,48.468 68.557,48.701 68.842,48.866 69.16,48.951 69.49,48.951 69.808,48.866 70.093,48.701 70.326,48.468 70.491,48.183 70.576,47.865 70.576,47.535 70.491,47.217 70.326,46.932 70.093,46.699 69.808,46.534 69.49,46.449 69.16,46.449 68.842,46.534 68.557,46.699 68.324,46.932 68.159,47.217 68.073,47.535
Bottom Layer:
  pour cut-out: 68.073,60.565 68.159,60.883 68.324,61.168 68.557,61.401 68.842,61.566 69.16,61.651 69.49,61.651 69.808,61.566 70.093,61.401 70.326,61.168 70.491,60.883 70.576,60.565 70.576,60.235 70.491,59.917 70.326,59.632 70.093,59.399 69.808,59.234 69.49,59.149 69.16,59.149 68.842,59.234 68.557,59.399 68.324,59.632 68.159,59.917 68.073,60.235
  pour cut-out: 68.073,52.945 68.159,53.263 68.324,53.548 68.557,53.781 68.842,53.946 69.16,54.031 69.49,54.031 69.808,53.946 70.093,53.781 70.326,53.548 70.491,53.263 70.576,52.945 70.576,52.615 70.491,52.297 70.326,52.012 70.093,51.779 69.808,51.614 69.49,51.529 69.16,51.529 68.842,51.614 68.557,51.779 68.324,52.012 68.159,52.297 68.073,52.615
  pour cut-out: 28.3,49.1 25.9,49.1 25.9,46.7 28.3,46.7
  pour cut-out: 51.8,50.9 49.4,50.9 49.4,48.5 51.8,48.5
  pour cut-out: 68.125,61.78 70.525,61.78 70.525,64.18 68.125,64.18
  pour cut-out: 28.352,45.235 28.266,44.917 28.101,44.632 27.868,44.399 27.583,44.234 27.265,44.148 26.935,44.148 26.617,44.234 26.332,44.399 26.099,44.632 25.934,44.917 25.849,45.235 25.849,45.565 25.934,45.883 26.099,46.168 26.332,46.401 26.617,46.566 26.935,46.651 27.265,46.651 27.583,46.566 27.868,46.401 28.101,46.168 28.266,45.883 28.352,45.565

## Silkscreen, mask and mechanical layers (free items; w line width, h text height)
Top Overlay:
  drawing of 61 lines, arcs and shapes, not listed
  text "HSD_D" at 32.274,101.021 h1.8
  text "HSD_C" at 43.96,101.021 h1.8
  text "HSD_B" at 55.385,98.345 h1.8
  text "HSD_A" at 67.072,98.345 h1.8
  text "24V-5V" at 84.248,59.87 h1.8
  text "CAN_TX" at 25.45,54.463 h1.2
  text "CAN_TX" at 25.45,54.463 h1.2
  text "CAN_RX" at 25.45,52.163 h1.2
  text "CAN_RX" at 25.45,52.163 h1.2
  text "HB" at 36.05,49.65 h1.2
  text "5V-3V3" at 70.15,43.67 h1.8
  text "Power Distribution Module" at 85.754,43.229 h1.5
  text "06/06/2024" at 85.754,41.654 h1.5
  text "R.C." at 85.754,40.304 h1.5
  text "BOOT" at 28.85,40.07 h1.8
  text "UART" at 44.35,40.07 h1.8
  text "JTAG" at 61.747,40.07 h1.8
Bottom Overlay:
  drawing of 28 lines, arcs and shapes, not listed
  text "In Gabagool" at 95.2,64.133 h1.8
  text "We Trust" at 92.849,61.918 h1.8
Drill Drawing:
  circle w0.254: c2.556,183.36 r0.847
  lines w0.254: 1.709,156.69 2.556,155.844 3.403,156.69 2.556,157.537 1.709,156.69 ; 1.709,160.077 2.133,160.077 2.133,159.654 2.979,159.654 2.979,160.077 3.403,160.077 3.403,160.923 2.979,160.923 2.979,161.347 2.133,161.347 2.133,160.923 1.709,160.923 1.709,160.077 ; 1.709,163.464 3.403,163.464 3.403,165.157 1.709,165.157 1.709,163.464 ; 1.709,167.274 1.709,167.697 2.133,168.12 1.709,168.543 1.709,168.967 2.133,168.967 2.556,168.543 2.979,168.967 3.403,168.967 3.403,168.543 2.979,168.12 3.403,167.697 3.403,167.274 2.979,167.274 2.556,167.697 2.133,167.274 1.709,167.274 ; 1.709,172.777 3.403,172.777 2.556,171.084 1.709,172.777 ; 1.709,174.894 2.556,175.317 3.403,174.894 2.979,175.74 3.403,176.587 2.556,176.163 1.709,176.587 2.133,175.74 1.709,174.894 ; 1.709,179.127 2.133,179.127 2.556,178.704 2.979,179.127 3.403,179.127 2.979,179.55 3.403,179.973 2.979,179.973 2.556,180.397 2.133,179.973 1.709,179.973 2.133,179.55 1.709,179.127
  lines w0.381: 0.191,154.701 269.204,154.701 ; 0.191,185.181 269.204,185.181 ; 14.183,150.891 14.183,188.991 ; 29.419,150.891 29.419,188.991 ; 58.62,150.891 58.62,188.991 ; 71.469,150.891 71.469,188.991 ; 90.108,150.891 90.108,188.991 ; 128.197,150.891 128.197,188.991 ; 143.179,150.891 143.179,188.991 ; 162.122,150.891 162.122,188.991 ; 178.628,150.891 178.628,188.991 ; 200.313,150.891 200.313,188.991 ; 234.187,150.891 234.187,188.991 ; 0.191,150.891 269.204,150.891 269.204,188.991 0.191,188.991 0.191,150.891
  text "Symbol" at 2.476,186.324 h1.83
  text "Count" at 15.326,186.324 h1.83
  text "Hole Size" at 30.562,186.324 h1.83
  text "Plated" at 59.763,186.324 h1.83
  text "Hole Type" at 72.612,186.324 h1.83
  text "Drill Layer Pair" at 91.251,186.324 h1.83
  text "Via/Pad" at 129.34,186.324 h1.83
  text "Pad Shape" at 144.322,186.324 h1.83
  text "Template" at 163.265,186.324 h1.83
  text "Description" at 179.771,186.324 h1.83
  text "Hole Tolerance (+)" at 201.456,186.324 h1.83
  text "Hole Tolerance (-)" at 235.33,186.324 h1.83
  text "2" at 15.326,182.514 h1.52
  text "3.300mm (129.92mil)" at 30.562,182.514 h1.52
  text "NPTH" at 59.763,182.514 h1.52
  text "Round" at 72.612,182.514 h1.52
  text "Top Layer - Bottom Layer" at 91.251,182.514 h1.52
  text "Pad" at 129.34,182.514 h1.52
  text "Rounded" at 144.322,182.514 h1.52
  text "c300hn330" at 163.265,182.514 h1.52
  text "4" at 15.326,178.704 h1.52
  text "0.760mm (29.92mil)" at 30.562,178.704 h1.52
  text "PTH" at 59.763,178.704 h1.52
  text "Round" at 72.612,178.704 h1.52
  text "Top Layer - Bottom Layer" at 91.251,178.704 h1.52
  text "Pad" at 129.34,178.704 h1.52
  text "(Mixed)" at 144.322,178.704 h1.52
  text "(Mixed)" at 163.265,178.704 h1.52
  text "7" at 15.326,174.894 h1.52
  text "0.900mm (35.43mil)" at 30.562,174.894 h1.52
  text "PTH" at 59.763,174.894 h1.52
  text "Round" at 72.612,174.894 h1.52
  text "Top Layer - Bottom Layer" at 91.251,174.894 h1.52
  text "Pad" at 129.34,174.894 h1.52
  text "(Mixed)" at 144.322,174.894 h1.52
  text "(Mixed)" at 163.265,174.894 h1.52
  text "8" at 15.326,171.084 h1.52
  text "1.700mm (66.93mil)" at 30.562,171.084 h1.52
  text "PTH" at 59.763,171.084 h1.52
  text "Round" at 72.612,171.084 h1.52
  text "Top Layer - Bottom Layer" at 91.251,171.084 h1.52
  text "Pad" at 129.34,171.084 h1.52
  text "(Mixed)" at 144.322,171.084 h1.52
  text "(Mixed)" at 163.265,171.084 h1.52
  text "12" at 15.326,167.274 h1.52
  text "0.300mm (11.81mil)" at 30.562,167.274 h1.52
  text "PTH" at 59.763,167.274 h1.52
  text "Round" at 72.612,167.274 h1.52
  text "Top Layer - Bottom Layer" at 91.251,167.274 h1.52
  text "Via" at 129.34,167.274 h1.52
  text "Rounded" at 144.322,167.274 h1.52
  text "v60h30" at 163.265,167.274 h1.52
  text "12" at 15.326,163.464 h1.52
  text "1.900mm (74.80mil)" at 30.562,163.464 h1.52
  text "PTH" at 59.763,163.464 h1.52
  text "Round" at 72.612,163.464 h1.52
  text "Top Layer - Bottom Layer" at 91.251,163.464 h1.52
  text "Pad" at 129.34,163.464 h1.52
  text "(Mixed)" at 144.322,163.464 h1.52
  text "(Mixed)" at 163.265,163.464 h1.52
  text "36" at 15.326,159.654 h1.52
  text "0.200mm (7.87mil)" at 30.562,159.654 h1.52
  text "PTH" at 59.763,159.654 h1.52
  text "Round" at 72.612,159.654 h1.52
  text "Top Layer - Bottom Layer" at 91.251,159.654 h1.52
  text "Via" at 129.34,159.654 h1.52
  text "Rounded" at 144.322,159.654 h1.52
  text "v50h20" at 163.265,159.654 h1.52
  text "312" at 15.326,155.844 h1.52
  text "0.250mm (9.84mil)" at 30.562,155.844 h1.52
  text "PTH" at 59.763,155.844 h1.52
  text "Round" at 72.612,155.844 h1.52
  text "Top Layer - Bottom Layer" at 91.251,155.844 h1.52
  text "Via" at 129.34,155.844 h1.52
  text "Rounded" at 144.322,155.844 h1.52
  text "v55h25" at 163.265,155.844 h1.52
  text "393 Total" at 15.326,152.034 h1.52
  text "FABRICATION NOTES" at 126.609,110.997 h3
  text "1. QUANTITY: 5" at 126.609,105.901 h3
  text "2. SIZE:  93mm x 84mm" at 126.609,100.804 h3
  text "3. LAYERS: 4" at 126.609,95.708 h3
  text "4. COPPER WEIGHT: Outer Layers: 2oz, Internal Layers: 1oz" at 126.682,90.822 h3
  text "5. SOLDER MASK: White" at 126.907,85.962 h3
  text "6. SILKSCREEN: Black" at 126.907,80.865 h3
  text "7. SURFACE FINISH: ENIG" at 126.907,75.769 h3
  text "8. TOTAL THICKNESS: 1.6mm" at 126.397,70.811 h3
  text "9. VIAS: TENTED" at 126.697,65.886 h3

## Dimensions
20,123.33 to 113.513,123.33 on Drill Drawing
20,123.33 to 21.288,39.1 on Drill Drawing

## Text inside footprints (layer, text, board x,y; h text height)
C26: Top Overlay "+" at 98.765,89.622 h0.38 r270